# Altium PCB uTCA_MCH_PCB3.pcbdoc (part 21 of 25)
Units mil, origin at the board's own origin, x right, y up, seen from the top; angles counter-clockwise.
Board outline 7110.66 x 2894.12 mil, 12 copper layers (Top Layer, GND1, MidLayer1, PWR1, MidLayer2, GND2, PWR2, MidLayer3, GND3, MidLayer4, PWR3, Bottom Layer), stack 63.15 mil thick; 767 components, 905 nets, 4553 pads, 2832 vias.
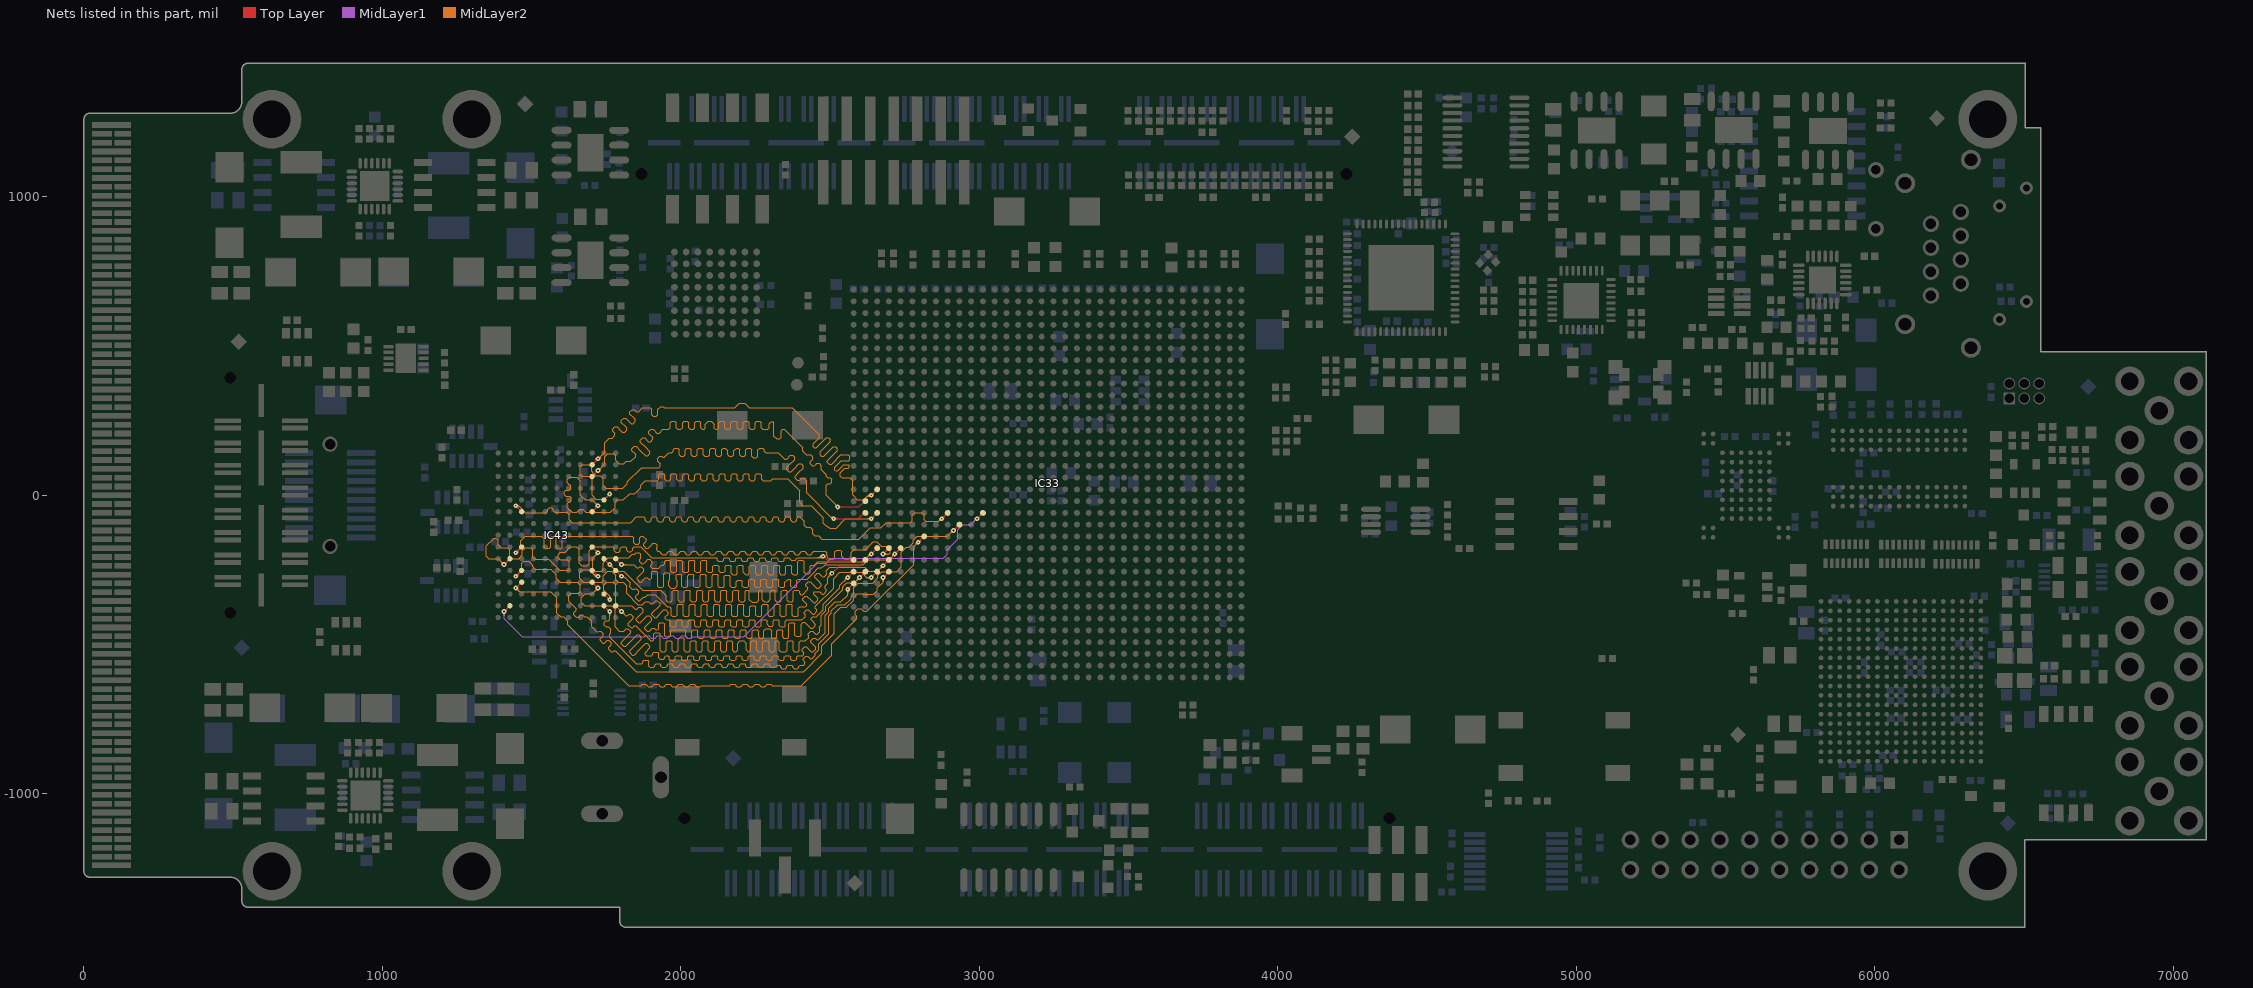
[diagram p31: the nets of this part, all layers, seen from the top]

## Via types
v1: diameter 15.75, hole 5.91, Top Layer to Bottom Layer, tented both sides, 2480 vias
v2: diameter 23.62, hole 11.81, Top Layer to Bottom Layer, tented both sides, 325 vias
v3: diameter 20, hole 10, Top Layer to Bottom Layer, tented both sides, 16 vias
v4: diameter 15.75, hole 7.87, Top Layer to Bottom Layer, tented both sides, 9 vias
v5: diameter 23.62, hole 11.81, Top Layer to Bottom Layer, 1 vias
v6: diameter 15.75, hole 5.91, Top Layer to Bottom Layer, 1 vias

## Nets (pads, with @x,y where several pads share a name; then routed paths per layer and width w, separated by ;. In a path a pad name is that pad's centre, name@x,y a point inside that pad or via, vN(x,y) a via of type N, cw(c..) or ccw(c..) an arc to the next point about the centre after c; other vN are vias at no path point) (continued)
Q2_Q12: IC33.AF20 IC43.K9 | length 1987.3
  Top Layer w3.94: v1@1446.85,-41.34 cw(c1446.85,-55.6) 1456.93,-45.51 cw(c1467.01,-35.43) v1@1452.76,-35.43 ; v1(1446.85,-35.43) IC43.K9@1466.54,-55.12 ; v1(2874.02,-78.56) IC33.AF20@2893.52,-59.06 ; v1@2874.02,-72.66 ccw(c2874.02,-58.4) 2884.1,-68.48 ccw(c2894.18,-78.56) v1@2879.92,-78.56
  MidLayer2 w3.94: v1(1446.85,-35.43) 1456.69,-35.43 ; v1@1452.06,-38.21 cw(c1456.69,-40.68) 1456.69,-35.43 ; v1@1452.06,-32.65 ccw(c1456.69,-30.18) 1456.69,-35.43 ; 2068.66,-72.83 2063.58,-77.91 2063.58,-83.35 2058.51,-88.42 2048.36,-88.42 2043.29,-83.35 2043.29,-77.91 2038.22,-72.83 2028.07,-72.83 2023,-77.91 2023,-83.51 2017.93,-88.58 2007.78,-88.58 2002.71,-83.51 2002.71,-77.91 1997.64,-72.83 1987.49,-72.83 1982.42,-77.91 1982.42,-83.51 1977.34,-88.58 1967.2,-88.58 1962.13,-83.51 1962.13,-77.91 1957.05,-72.83 1946.91,-72.83 1941.83,-77.91 1941.83,-83.51 1936.76,-88.58 1926.62,-88.58 1921.54,-83.51 1921.54,-77.91 1916.47,-72.83 1906.32,-72.83 1901.25,-77.91 1901.25,-83.51 1896.18,-88.58 1886.03,-88.58 1880.96,-83.51 1880.96,-77.91 1875.89,-72.83 1850.72,-72.83 1831.84,-91.71 1636.7,-91.71 1626.82,-81.84 1626.82,-65.8 1618.11,-57.09 1578.74,-57.09 1572.83,-51.18 1572.83,-47.24 1566.93,-41.34 1559.06,-41.34 1553.15,-47.24 1553.15,-51.82 1547.08,-57.89 1479.15,-57.89 1456.69,-35.43 ; 2068.9,-72.83 2078.8,-72.83 2083.87,-77.91 2083.87,-83.35 2088.95,-88.42 2099.09,-88.42 2104.16,-83.35 2104.16,-77.91 2109.24,-72.83 2119.38,-72.83 2124.46,-77.91 2124.46,-83.35 2129.53,-88.42 2139.67,-88.42 2144.75,-83.35 2144.75,-77.91 2149.82,-72.83 2159.97,-72.83 2165.04,-77.91 2165.04,-83.35 2170.11,-88.42 2180.26,-88.42 2185.33,-83.35 2185.33,-77.91 2190.4,-72.83 2200.55,-72.83 2205.62,-77.91 2205.62,-83.35 2210.69,-88.42 2220.84,-88.42 2225.91,-83.35 2225.91,-77.91 2230.99,-72.83 2241.13,-72.83 2246.2,-77.91 2246.2,-83.35 2251.28,-88.42 2261.42,-88.42 2266.5,-83.35 2266.5,-77.91 2271.57,-72.83 2281.71,-72.83 2286.79,-77.91 2286.79,-83.35 2291.86,-88.42 2302.01,-88.42 2307.08,-83.35 2307.08,-77.91 2312.15,-72.83 2322.3,-72.83 2327.37,-77.91 2327.37,-83.35 2332.44,-88.42 2342.59,-88.42 2347.66,-83.35 2347.66,-77.91 2352.73,-72.83 2362.88,-72.83 2367.95,-77.91 2367.95,-83.35 2373.02,-88.42 2383.17,-88.42 2388.24,-83.35 2388.24,-77.91 2393.32,-72.83 2398.39,-72.83 2412.64,-87.08 2412.64,-100.4 2419.81,-107.57 2433.13,-107.57 2441.33,-115.78 2441.33,-129.09 2448.51,-136.27 2461.82,-136.27 2472.56,-147.01 2596.46,-147.01 2633.86,-109.61 2670.21,-109.61 2687.3,-92.52 2768.7,-92.52 2775.59,-85.63 2775.59,-66.93 2783.46,-59.06 2809.06,-59.06 2814.96,-64.96 2814.96,-82.68 2819.88,-87.6 2863.19,-87.6 ; 2865.2,-85.59 ccw(c2858.18,-78.56) v1@2868.11,-78.56 ; v1@2873.03,-77.76 2863.19,-87.6 ; v1@2873.08,-84.39 ccw(c2871.27,-95.68) 2863.19,-87.6
Q2_Q13: IC33.AL23 IC43.G9 | length 2008.1
  Top Layer w3.94: v1(1446.85,-192.91) IC43.G9@1466.54,-173.23 ; v1@1446.85,-187.01 ccw(c1446.85,-172.75) 1456.93,-182.83 ccw(c1467.01,-192.91) v1@1452.76,-192.91 ; v1(2677.16,-196.85) IC33.AL23@2696.85,-177.17 ; v1@2677.16,-190.95 ccw(c2677.16,-176.69) 2687.25,-186.77 ccw(c2697.33,-196.85) v1@2683.07,-196.85
  MidLayer2 w3.94: v1(1446.85,-192.91) 1463.76,-176.01 1463.76,-152.09 1479.22,-136.63 1532.59,-136.63 1542.5,-146.54 1542.5,-173.41 1547.24,-178.15 1558.85,-178.15 1563.98,-173.02 1563.98,-140.27 1567.61,-136.64 1577.76,-136.64 1582.83,-141.71 1582.83,-174.87 1587.9,-179.94 1598.05,-179.94 1603.12,-174.87 1603.12,-141.71 1608.19,-136.64 1837.35,-136.64 1842.52,-141.81 1842.52,-159.05 1847.49,-164.02 1857.64,-164.02 1862.71,-158.94 1862.71,-141.71 1867.78,-136.64 1872.86,-136.64 1883.77,-147.55 1883.77,-154.72 1875.81,-162.69 1875.81,-169.86 1882.98,-177.04 1890.15,-177.04 1901.71,-165.49 1906.37,-160.82 1913.54,-160.82 1920.72,-168 1920.72,-175.17 ; v1@1446.85,-187.01 ccw(c1446.85,-172.75) 1456.93,-182.83 ccw(c1467.01,-192.91) v1@1452.76,-192.91 ; 1919.64,-176.25 1919.64,-183.42 1923.23,-187.01 1928.29,-187.01 1933.36,-192.08 1933.36,-194.38 1938.43,-199.45 1948.58,-199.45 1953.65,-194.38 1953.65,-192.08 1958.72,-187.01 1968.87,-187.01 1973.94,-192.08 1973.94,-194.38 1979.01,-199.45 1989.16,-199.45 1994.23,-194.38 1994.23,-192.08 1999.31,-187.01 2009.45,-187.01 2014.52,-192.08 2014.52,-194.38 2019.6,-199.45 2029.74,-199.45 2034.82,-194.38 2034.82,-192.08 2039.89,-187.01 2050.03,-187.01 2055.11,-192.08 2055.11,-194.38 2060.18,-199.45 2070.33,-199.45 2075.4,-194.38 2075.4,-192.08 2080.47,-187.01 2090.62,-187.01 2095.69,-192.08 2095.69,-194.38 2100.76,-199.45 2110.91,-199.45 2115.98,-194.38 2115.98,-192.08 2121.05,-187.01 2131.2,-187.01 2136.27,-192.08 2136.27,-194.38 2141.35,-199.45 2151.49,-199.45 2156.56,-194.38 2156.56,-192.08 2161.64,-187.01 2171.78,-187.01 2176.85,-192.08 2176.85,-194.38 2181.93,-199.45 2192.07,-199.45 2197.15,-194.38 2197.15,-192.08 2202.22,-187.01 2212.36,-187.01 2217.44,-192.08 2217.44,-194.38 2222.51,-199.45 2232.66,-199.45 2237.73,-194.38 2237.73,-192.08 2242.8,-187.01 2252.95,-187.01 2258.02,-192.08 2258.02,-194.38 2263.09,-199.45 2273.24,-199.45 2278.31,-194.38 2278.31,-192.08 2283.38,-187.01 2293.53,-187.01 2298.6,-192.08 2298.6,-194.38 2303.68,-199.45 2313.82,-199.45 2318.89,-194.38 2318.89,-192.08 2323.97,-187.01 2334.11,-187.01 2339.19,-192.08 2339.19,-194.38 2344.26,-199.45 2354.4,-199.45 2359.48,-194.38 2359.48,-192.08 2364.55,-187.01 2374.7,-187.01 2379.77,-192.08 2379.77,-194.38 2384.84,-199.45 2394.99,-199.45 2400.06,-194.38 2400.06,-192.08 2405.13,-187.01 2415.28,-187.01 2420.35,-192.08 2420.35,-194.38 2425.42,-199.45 2435.57,-199.45 2440.64,-194.38 2440.64,-192.08 2445.71,-187.01 2483.27,-187.01 2489.17,-192.91 2489.17,-199.8 2491.14,-201.77 2491.14,-207.68 2498.03,-214.57 2509.84,-214.57 2515.75,-208.66 2515.75,-189.96 2521.65,-184.06 2534.45,-184.06 2538.39,-187.99 2538.39,-203.74 2548.41,-213.76 2561.88,-213.76 2571.04,-204.6 2571.04,-190.77 2578.74,-183.07 2617.13,-183.07 2644.69,-155.51 2656.5,-155.51 2671.26,-170.28 2696.85,-170.28 2700.79,-174.21 2700.79,-192.91 2696.85,-196.85 v1(2677.16,-196.85) ; v1@2681.34,-201.03 cw(c2691.43,-211.11) 2691.43,-196.85 cw(c2691.42,-182.6) v1@2681.34,-192.68
Q2_Q14: IC33.AP24 IC43.F10 | length 2005.3
  Top Layer w3.94: v1(1407.48,-232.28) IC43.F10@1427.17,-212.6 ; v1@1407.48,-226.38 ccw(c1407.48,-212.12) 1417.56,-222.2 ccw(c1427.64,-232.28) v1@1413.39,-232.28 ; v1@2476.37,-210.63 cw(c2476.37,-224.9) 2486.46,-214.81 cw(c2496.52,-204.72) v1@2482.28,-204.72 ; v1(2476.37,-204.72) 2488.19,-216.54 IC33.AP24@2578.74,-216.54
  MidLayer2 w3.94: v1@1401.57,-232.28 ccw(c1387.32,-232.28) 1397.4,-222.2 ccw(c1407.48,-212.12) v1@1407.48,-226.38 ; v1(1407.48,-232.28) 1387.79,-212.6 1356.3,-212.6 1348.43,-204.72 1348.43,-169.29 1374.02,-143.7 1382.18,-143.7 1387.8,-149.32 1387.8,-165.35 1397.64,-175.2 1419.29,-175.2 1427.17,-183.07 1427.17,-204.72 1435.04,-212.6 1456.69,-212.6 1469.31,-199.98 1469.31,-185.91 1479.22,-176.01 1496.87,-176.01 1503.94,-183.07 1503.94,-208.66 1509.84,-214.57 1557.09,-214.57 1594.49,-251.97 1622.05,-251.97 1625.98,-248.03 1625.98,-222.44 1620.08,-216.54 1596.46,-216.54 1588.58,-208.66 1588.58,-198.82 1596.46,-190.94 1612.2,-190.94 1629.92,-173.23 1649.61,-173.23 1659.45,-183.07 1659.45,-228.35 1667.32,-236.22 1687.01,-236.22 1692.91,-230.32 1692.91,-186.02 1705.71,-173.23 1772.33,-173.23 1777.41,-178.3 1777.41,-186.38 1782.48,-191.45 1792.62,-191.45 1797.7,-186.38 1797.7,-178.3 1802.77,-173.23 1812.92,-173.23 1817.99,-178.3 1817.99,-184.43 1823.06,-189.5 1832.61,-189.5 ; 1834.26,-188.44 1838.28,-184.43 1838.28,-178.3 1843.35,-173.23 1861.45,-173.23 1866.14,-173.23 1901.57,-208.66 2119.45,-208.66 2122.49,-211.71 2122.49,-217.43 2125.54,-220.47 2139.74,-220.47 2142.78,-217.43 2142.78,-211.71 2145.83,-208.66 2160.03,-208.66 2163.08,-211.71 2163.08,-217.43 2166.12,-220.47 2180.32,-220.47 2183.37,-217.43 2183.37,-211.71 2186.41,-208.66 2200.61,-208.66 2203.66,-211.71 2203.66,-217.43 2206.7,-220.47 2220.91,-220.47 2223.95,-217.43 2223.95,-211.71 2226.99,-208.66 2241.2,-208.66 2244.24,-211.71 2244.24,-217.43 2247.28,-220.47 2261.49,-220.47 2264.53,-217.43 2264.53,-211.71 2267.58,-208.66 2281.78,-208.66 2284.82,-211.71 2284.82,-217.43 2287.87,-220.47 2302.07,-220.47 2305.11,-217.43 2305.11,-211.71 2308.16,-208.66 2322.36,-208.66 2325.41,-211.71 2325.41,-217.43 2328.45,-220.47 2342.65,-220.47 2345.7,-217.43 2345.7,-211.71 2348.74,-208.66 2362.94,-208.66 2365.99,-211.71 2365.99,-214.63 2369.03,-217.68 2383.24,-217.68 2386.28,-214.63 2386.28,-211.71 2389.32,-208.66 2472.44,-208.66 v1(2476.37,-204.72) ; 2452.61,-208.66 ccw(c2452.61,-180.96) v1@2472.2,-200.55 ; 2462.11,-208.66 ccw(c2462.11,-190.47) v1@2474.98,-203.33
Q2_Q15: IC33.AL25 IC43.E9 | length 1982.4
  Top Layer w3.94: v1(1446.85,-271.65) IC43.E9@1466.54,-251.97 ; v1@1446.85,-265.75 ccw(c1446.85,-251.49) 1456.93,-261.57 ccw(c1467.01,-271.65) v1@1452.76,-271.65 ; v1(2677.16,-275.59) IC33.AL25@2696.85,-255.91 ; v1@2677.16,-269.69 ccw(c2677.16,-255.43) 2687.25,-265.51 ccw(c2697.33,-275.59) v1@2683.07,-275.59
  MidLayer2 w3.94: v1(1446.85,-271.65) 1466.54,-251.97 1466.54,-228.06 1474.12,-220.47 1490.16,-220.47 1503.94,-234.25 1503.94,-240.16 1511.99,-248.21 1564.04,-248.21 1582.68,-266.85 1582.68,-277.56 1596.46,-291.34 1653.54,-291.34 1663.39,-301.18 1663.39,-322.83 1657.48,-328.74 1631.89,-328.74 1624.02,-336.61 1624.02,-354.62 1649.41,-380.02 1649.41,-385.76 1641.23,-393.94 1641.23,-399.68 1649.84,-408.29 1655.58,-408.29 1663.76,-400.11 1669.5,-400.11 1676.07,-406.67 1684.51,-406.67 1700.79,-422.95 1700.79,-440.94 1717.89,-458.04 1723.63,-458.04 1726.24,-455.43 1731.98,-455.43 1740.59,-464.04 1740.59,-469.78 1735.1,-475.26 1729.62,-480.74 1729.62,-486.48 1738.23,-495.09 1743.97,-495.09 1749.45,-489.61 1752.87,-486.2 1758.6,-486.2 1767.21,-494.81 1767.21,-500.55 1763.8,-503.96 1758.32,-509.44 1758.32,-515.18 1766.93,-523.79 1772.67,-523.79 1775.79,-520.67 1780.51,-520.67 1783.46,-523.62 1850.71,-590.87 2411.1,-590.87 2472.44,-529.53 2472.44,-503.94 2513.78,-462.6 2513.78,-397.35 2535.14,-375.98 2553.43,-375.98 2578.41,-351.01 2578.41,-343.25 2591.29,-330.37 2609.5,-330.37 2611,-331.87 2644.8,-331.87 2657.48,-319.19 2657.48,-310.73 2677.17,-291.05 ; v1@1446.85,-265.75 ccw(c1446.85,-251.49) 1456.93,-261.57 ccw(c1467.01,-271.65) v1@1452.76,-271.65 ; v1@2673.09,-279.87 cw(c2664.05,-289.37) 2677.16,-289.37 ; v1(2677.16,-275.59) 2677.16,-289.37 ; v1@2681.24,-279.87 ccw(c2690.28,-289.37) 2677.16,-289.37
Q2_Q16: IC33.AH22 IC43.D9 | length 2001.6
  Top Layer w3.94: v1(1446.85,-311.02) IC43.D9@1466.54,-291.34 ; v1@1446.85,-305.12 ccw(c1446.85,-290.86) 1456.93,-300.94 ccw(c1467.01,-311.02) v1@1452.76,-311.02 ; v1(2795.28,-157.48) IC33.AH22@2814.96,-137.8 ; v1@2795.28,-151.57 ccw(c2795.28,-137.32) 2805.36,-147.4 ccw(c2815.44,-157.48) v1@2801.18,-157.48
  MidLayer2 w3.94: v1@1446.85,-316.93 cw(c1446.85,-331.19) 1456.93,-321.11 cw(c1467.01,-311.02) v1@1452.76,-311.02 ; v1(1446.85,-311.02) 1459.64,-323.82 1563.98,-323.82 1583.55,-343.39 ; 1584.65,-344.49 1584.65,-395.38 1596.92,-407.66 1606.77,-407.66 1621.24,-422.13 1621.24,-434.23 1824.8,-637.8 1866.44,-637.8 1870.38,-633.86 1882.8,-633.86 1890.67,-641.73 1903.09,-641.73 1910.96,-633.86 1923.38,-633.86 1931.26,-641.73 1943.67,-641.73 1951.55,-633.86 1963.96,-633.86 1971.84,-641.73 1984.26,-641.73 1992.13,-633.86 2004.55,-633.86 2012.42,-641.73 2024.84,-641.73 2032.71,-633.86 2045.13,-633.86 2053,-641.73 2065.42,-641.73 2069.36,-637.8 2163.69,-637.8 2167.63,-633.86 2180.04,-633.86 2187.92,-641.73 2200.33,-641.73 2208.21,-633.86 2220.63,-633.86 2228.5,-641.73 2240.92,-641.73 2248.79,-633.86 2261.21,-633.86 2269.08,-641.73 2281.5,-641.73 2289.37,-633.86 2301.79,-633.86 2305.73,-637.8 2403.54,-637.8 2505.91,-535.43 2505.91,-497.08 2588.56,-414.43 2588.56,-404.65 2584.82,-400.91 ; 2584.77,-400.41 2584.77,-389 2592.84,-380.92 2604.26,-380.92 2612.33,-389 2622.81,-389 2779.53,-232.28 2779.53,-173.23 ; 2779.04,-173.72 v1@2794.29,-158.46 ; v1@2789.37,-157.48 cw(c2775.11,-157.48) 2785.19,-167.56 cw(c2795.28,-177.64) v1@2795.28,-163.39
Q2_Q17: IC33.AC20 IC43.B10 | length 2003.8
  Top Layer w3.94: v1(1407.48,-389.76) IC43.B10@1427.17,-370.08 ; v1@1407.48,-383.86 ccw(c1407.48,-369.6) 1417.56,-379.68 ccw(c1427.64,-389.76) v1@1413.39,-389.76 ; v1(2992.13,-78.74) IC33.AC20@3011.81,-59.06 ; v1@2992.13,-72.83 ccw(c2992.13,-58.58) 3002.21,-68.66 ccw(c3012.29,-78.74) v1@2998.03,-78.74
  MidLayer1 w3.94: v1@1403.3,-393.94 cw(c1393.22,-404.02) 1407.48,-404.02 cw(c1421.74,-404.02) v1@1411.66,-393.94 ; v1@1407.48,-387.8 v1(1407.48,-389.76) 1407.48,-413.68 1468.21,-474.41 1876.74,-474.41 1880.67,-470.47 1893.09,-470.47 1900.96,-478.35 1913.38,-478.35 1921.26,-470.47 1933.67,-470.47 1941.55,-478.35 1953.96,-478.35 1961.84,-470.47 1974.26,-470.47 1982.13,-478.35 1994.55,-478.35 2002.42,-470.47 2014.84,-470.47 2022.71,-478.35 2035.13,-478.35 2039.07,-474.41 2210.63,-474.41 2457.52,-227.52 2486.48,-227.52 2502.11,-211.89 2878.46,-211.89 2892,-198.35 2892,-183.18 2928.35,-146.83 2928.35,-115.35 2945.28,-98.43 2970.47,-98.43 v1@2990.16,-78.74 ; 2978.68,-90.21 cw(c2992.13,-103.66) v1@2992.13,-84.65 ; 2983.44,-85.46 ccw(c2976.72,-78.74) v1@2986.22,-78.74 ; 2985.41,-83.49 cw(c2992.13,-90.21) v1@2992.13,-80.71
Q2_Q18: IC33.AE21 IC43.B2 | length 1972.7
  Top Layer w3.94: IC43.B2@1742.13,-370.08 v1(1761.81,-389.76) ; v1@1755.91,-389.76 ccw(c1741.65,-389.76) 1751.73,-379.68 ccw(c1761.81,-369.6) v1@1761.81,-383.86 ; v1(2913.39,-118.11) IC33.AE21@2933.07,-98.43 ; v1@2913.39,-112.2 ccw(c2913.39,-97.95) 2923.47,-108.03 ccw(c2933.55,-118.11) v1@2919.29,-118.11
  MidLayer2 w3.94: v1@1757.64,-393.94 cw(c1747.55,-404.02) 1761.81,-404.02 cw(c1776.07,-404.02) v1@1765.99,-393.94 ; v1(1761.81,-389.76) 1761.81,-416.14 1757.75,-420.2 1749.09,-420.2 1744.09,-425.2 1744.09,-435.04 1749.55,-440.49 1757.42,-440.49 1765.75,-448.82 1765.75,-460.63 ; 1765.87,-460.78 1761.81,-464.84 1761.81,-476.38 1850.39,-564.96 1868.29,-564.96 1872.35,-560.9 1872.35,-557.21 1876.41,-553.15 1888.58,-553.15 1892.64,-557.21 1892.64,-572.71 1896.7,-576.77 1908.87,-576.77 1912.93,-572.71 1912.93,-569.02 1916.99,-564.96 1929.17,-564.96 1933.22,-569.02 1933.22,-572.71 1937.28,-576.77 1949.46,-576.77 1953.52,-572.71 1953.52,-569.02 1957.57,-564.96 1969.75,-564.96 1973.81,-569.02 1973.81,-572.71 1977.87,-576.77 1990.04,-576.77 1994.1,-572.71 1994.1,-569.02 1998.16,-564.96 2010.33,-564.96 2014.39,-569.02 2014.39,-572.71 2018.45,-576.77 2030.62,-576.77 2034.68,-572.71 2034.68,-569.02 2038.74,-564.96 2050.91,-564.96 2054.97,-569.02 2054.97,-572.71 2059.03,-576.77 2071.2,-576.77 2075.26,-572.71 2075.26,-569.02 2079.32,-564.96 2091.5,-564.96 2095.55,-569.02 2095.55,-572.71 2099.61,-576.77 2111.79,-576.77 2115.85,-572.71 2115.85,-569.02 2119.9,-564.96 2132.08,-564.96 2136.14,-569.02 2136.14,-572.71 2140.2,-576.77 2152.37,-576.77 2156.43,-572.71 2156.43,-569.02 2160.49,-564.96 2172.66,-564.96 2176.72,-569.02 2176.72,-572.71 2180.78,-576.77 2192.95,-576.77 2197.01,-572.71 2197.01,-569.02 2201.07,-564.96 2213.24,-564.96 2217.3,-569.02 2217.3,-572.71 2221.36,-576.77 2233.54,-576.77 2237.59,-572.71 2237.59,-569.02 2241.65,-564.96 2253.83,-564.96 2257.89,-569.02 2257.89,-572.71 2261.94,-576.77 2274.12,-576.77 2278.18,-572.71 2278.18,-569.02 2282.23,-564.96 2294.41,-564.96 2298.47,-569.02 2298.47,-572.71 2302.53,-576.77 2314.7,-576.77 2322.57,-568.9 2330.43,-568.9 2334.49,-572.96 2334.49,-576.65 2338.55,-580.71 2350.73,-580.71 2354.78,-576.65 2354.78,-572.96 2358.84,-568.9 2371.02,-568.9 2375.07,-572.96 2375.07,-576.65 2379.13,-580.71 2391.31,-580.71 2395.37,-576.65 2395.37,-572.96 2399.42,-568.9 2411.28,-568.9 2415.59,-564.59 2415.59,-558.85 2410.19,-553.46 2410.19,-547.72 2418.8,-539.11 2424.54,-539.11 2432.81,-547.38 2438.84,-547.38 2450.02,-536.2 2450.02,-530.16 2462.6,-517.58 2462.6,-498.03 2496.06,-464.57 2496.06,-403.26 2504.57,-394.75 2504.57,-387.17 2524.96,-366.77 2549.61,-366.77 2570.18,-346.21 2570.18,-339.85 2578.74,-331.28 2578.74,-310.73 2594.2,-295.28 2642.02,-295.28 2660.25,-277.05 2660.25,-268.59 2672.94,-255.91 2722.44,-255.91 2738.19,-240.16 2738.19,-190.65 2754.45,-174.39 2762.91,-174.39 2778.36,-158.94 2778.36,-150.48 2791.05,-137.8 2891.91,-137.8 v1@2911.59,-118.11 ; 2900.24,-129.46 cw(c2913.39,-142.6) v1@2913.39,-124.02 ; 2904.57,-125.13 ccw(c2897.55,-118.11) v1@2907.48,-118.11 ; 2906.96,-122.74 cw(c2913.39,-129.16) v1@2913.39,-120.08
Q2_Q19: IC33.AP26 IC43.D3 | length 1992.5
  Top Layer w3.94: IC43.D3@1702.76,-291.34 v1(1722.44,-311.02) ; v1@1716.54,-311.02 ccw(c1702.28,-311.02) 1712.36,-300.94 ccw(c1722.44,-290.86) v1@1722.44,-305.12 ; v1(2559.05,-314.96) IC33.AP26@2578.74,-295.28 ; v1@2559.05,-309.06 ccw(c2559.05,-294.8) 2569.14,-304.88 ccw(c2579.22,-314.96) v1@2564.96,-314.96
  MidLayer2 w3.94: v1@1716.54,-311.02 cw(c1702.28,-311.02) 1712.36,-321.11 cw(c1722.44,-331.19) v1@1722.44,-316.93 ; v1(1722.44,-311.02) 1702.76,-330.71 1678.84,-330.71 1666.16,-343.39 1666.16,-359.08 1677.17,-370.08 1767.72,-370.08 1779.53,-381.89 1779.53,-440.94 1794.2,-455.62 1808.1,-455.62 1817.05,-446.67 1822.79,-446.67 1831.4,-455.28 1831.4,-461.02 1819.58,-472.84 1800.18,-492.24 1800.18,-497.98 1808.78,-506.58 1814.52,-506.58 1853.33,-467.78 1859.07,-467.78 1867.67,-476.39 1867.67,-482.13 1848.27,-501.53 1828.87,-520.93 1828.87,-526.67 1837.48,-535.28 1843.22,-535.28 1862.62,-515.88 1882.02,-496.48 1887.76,-496.48 1896.37,-505.09 1896.37,-510.83 1879.84,-527.36 1879.84,-533.1 1884.14,-537.4 1901.76,-537.4 1905.81,-533.34 1905.81,-529.65 1909.87,-525.59 1922.05,-525.59 1926.11,-529.65 1926.11,-545.15 1930.16,-549.21 1942.34,-549.21 1946.4,-545.15 1946.4,-541.46 1950.46,-537.4 1957.48,-537.4 1961.54,-541.46 1961.54,-549.09 1965.6,-553.15 1977.77,-553.15 1981.83,-549.09 1981.83,-541.46 1985.89,-537.4 1998.06,-537.4 2002.12,-541.46 2002.12,-549.09 2006.18,-553.15 2018.35,-553.15 2022.41,-549.09 2022.41,-541.46 2026.47,-537.4 2038.65,-537.4 2042.7,-541.46 2042.7,-549.09 2046.76,-553.15 2058.94,-553.15 2063,-549.09 2063,-541.46 2067.05,-537.4 2079.23,-537.4 2083.29,-541.46 2083.29,-549.09 2087.35,-553.15 2099.52,-553.15 2103.58,-549.09 2103.58,-541.46 2107.64,-537.4 2119.81,-537.4 2123.87,-541.46 2123.87,-549.09 2127.93,-553.15 2140.1,-553.15 2144.16,-549.09 2144.16,-541.46 2148.22,-537.4 2160.39,-537.4 2164.45,-541.46 2164.45,-549.09 2168.51,-553.15 2180.69,-553.15 2184.74,-549.09 2184.74,-541.46 2188.8,-537.4 2200.98,-537.4 2205.03,-541.46 2205.03,-549.09 2209.09,-553.15 2221.27,-553.15 2225.33,-549.09 2225.33,-541.46 2229.38,-537.4 2241.56,-537.4 2245.62,-541.46 2245.62,-549.09 2249.68,-553.15 2261.85,-553.15 2265.91,-549.09 2265.91,-541.46 2269.97,-537.4 2282.14,-537.4 2286.2,-541.46 2286.2,-549.09 2290.26,-553.15 2302.43,-553.15 2306.49,-549.09 2306.49,-541.46 2310.55,-537.4 2322.72,-537.4 2326.78,-541.46 2326.78,-549.09 2330.84,-553.15 2343.02,-553.15 2347.07,-549.09 2347.07,-541.46 2351.13,-537.4 2363.31,-537.4 2367.37,-541.46 2367.37,-549.09 2371.42,-553.15 2383.6,-553.15 2387.66,-549.09 2387.66,-541.46 2391.71,-537.4 2407.48,-537.4 2411.78,-533.1 2411.78,-527.36 2406.39,-521.96 2406.39,-516.22 2415,-507.61 2420.74,-507.61 2429,-515.88 2437.27,-524.15 2443.01,-524.15 2451.62,-515.54 2451.62,-509.8 2443.35,-501.53 2435.08,-493.27 2435.08,-487.53 2443.69,-478.92 2449.43,-478.92 2454.83,-484.31 2460.57,-484.31 2484.25,-460.63 2484.25,-402.04 2495.35,-390.94 2495.35,-378.66 2516.46,-357.56 2536.14,-357.56 2559.05,-334.65 v1(2559.05,-314.96) ; v1@2554.88,-319.14 cw(c2544.8,-329.22) 2559.05,-329.22 cw(c2573.31,-329.22) v1@2563.23,-319.14
Q2_Q20: IC33.AM25 IC43.E3 | length 2020.9
  Top Layer w3.94: IC43.E3@1702.76,-251.97 v1(1722.44,-271.65) ; v1@1716.54,-271.65 ccw(c1702.28,-271.65) 1712.36,-261.57 ccw(c1722.44,-251.49) v1@1722.44,-265.75 ; v1(2637.8,-275.59) IC33.AM25@2657.48,-255.91 ; v1@2637.8,-269.69 ccw(c2637.8,-255.43) 2647.88,-265.51 ccw(c2657.96,-275.59) v1@2643.7,-275.59
  MidLayer2 w3.94: 1695.56,-254.61 ccw(c1722.44,-227.73) v1@1722.44,-265.75 ; 1702.28,-261.33 ccw(c1722.44,-241.17) v1@1722.44,-269.69 ; 1709,-268.06 ccw(c1722.44,-254.61) v1@1722.44,-273.62 ; v1@1717.23,-274.43 ccw(c1712.6,-276.9) 1712.6,-271.65 ; v1@1717.23,-268.88 cw(c1712.6,-266.41) 1712.6,-271.65 ; v1(1722.44,-271.65) 1712.6,-271.65 ; 2308.13,-438.27 2294.57,-438.27 2289.22,-432.92 2289.22,-421.38 2285.16,-417.32 2272.98,-417.32 2268.93,-421.38 2268.93,-436.89 2264.87,-440.94 2252.69,-440.94 2248.63,-436.89 2248.63,-421.38 2244.58,-417.32 2232.4,-417.32 2228.34,-421.38 2228.34,-436.89 2224.28,-440.94 2212.11,-440.94 2208.05,-436.89 2208.05,-421.38 2203.99,-417.32 2191.82,-417.32 2187.76,-421.38 2187.76,-436.89 2183.7,-440.94 2171.53,-440.94 2167.47,-436.89 2167.47,-421.38 2163.41,-417.32 2151.24,-417.32 2147.18,-421.38 2147.18,-436.89 2143.12,-440.94 2130.94,-440.94 2126.89,-436.89 2126.89,-421.38 2122.83,-417.32 2110.65,-417.32 2106.59,-421.38 2106.59,-436.89 2102.54,-440.94 2090.36,-440.94 2086.3,-436.89 2086.3,-421.38 2082.25,-417.32 2070.07,-417.32 2066.01,-421.38 2066.01,-436.89 2061.95,-440.94 2049.78,-440.94 2045.72,-436.89 2045.72,-421.38 2041.66,-417.32 2029.49,-417.32 2025.43,-421.38 2025.43,-436.89 2021.37,-440.94 2009.2,-440.94 2005.14,-436.89 2005.14,-421.38 2001.08,-417.32 1988.91,-417.32 1984.85,-421.38 1984.85,-436.89 1980.79,-440.94 1968.61,-440.94 1964.56,-436.89 1964.56,-421.38 1960.5,-417.32 1952.76,-417.32 1948.45,-413.02 1948.45,-407.28 1957.18,-398.55 1957.18,-392.81 1948.57,-384.2 1942.83,-384.2 1917.4,-409.63 1911.66,-409.63 1903.05,-401.03 1903.05,-395.29 1930.14,-368.2 1930.14,-362.46 1921.53,-353.85 1915.79,-353.85 1905.41,-364.23 1899.67,-364.23 1891.73,-356.3 1879.92,-356.3 1870.08,-366.14 1856.3,-366.14 1818.9,-328.74 1818.9,-303.15 1807.09,-291.34 1789.37,-291.34 1781.5,-283.46 1781.5,-267.43 1768.82,-254.75 1754.81,-254.75 1740.16,-269.4 1740.16,-285.43 1734.25,-291.34 1675.2,-291.34 1661.42,-277.56 1661.42,-257.87 1669.29,-250 1690.94,-250 1712.6,-271.65 ; 2309.51,-436.89 2309.51,-421.38 2313.57,-417.32 2325.74,-417.32 2329.8,-421.38 2329.8,-436.89 2333.86,-440.94 2346.03,-440.94 2350.09,-436.89 2350.09,-421.38 2354.15,-417.32 2405.51,-417.32 2415.99,-406.85 2415.99,-401.11 2412.45,-397.58 2412.45,-391.84 2421.06,-383.23 2426.8,-383.23 2441.47,-397.9 2447.21,-397.9 2455.82,-389.29 2455.82,-383.55 2450.42,-378.16 2450.42,-372.42 2511.47,-311.36 2511.47,-280.16 2532.95,-258.68 2605.43,-258.68 2622.34,-275.59 v1(2637.8,-275.59) ; v1@2633.62,-279.77 ccw(c2623.54,-289.84) 2623.54,-275.59 ccw(c2623.53,-261.33) v1@2633.62,-271.41